# Altium PCB Motherboard.PcbDoc (part 2 of 3)
Units mm, origin at the board's own origin, x right, y up, seen from the top; angles counter-clockwise.
Board outline 66 x 126 mm, 6 copper layers (Top Layer, GND1, Signal, PWR, GND2, Bottom Layer), stack 1.496 mm thick; 239 components, 210 nets, 1046 pads, 630 vias.
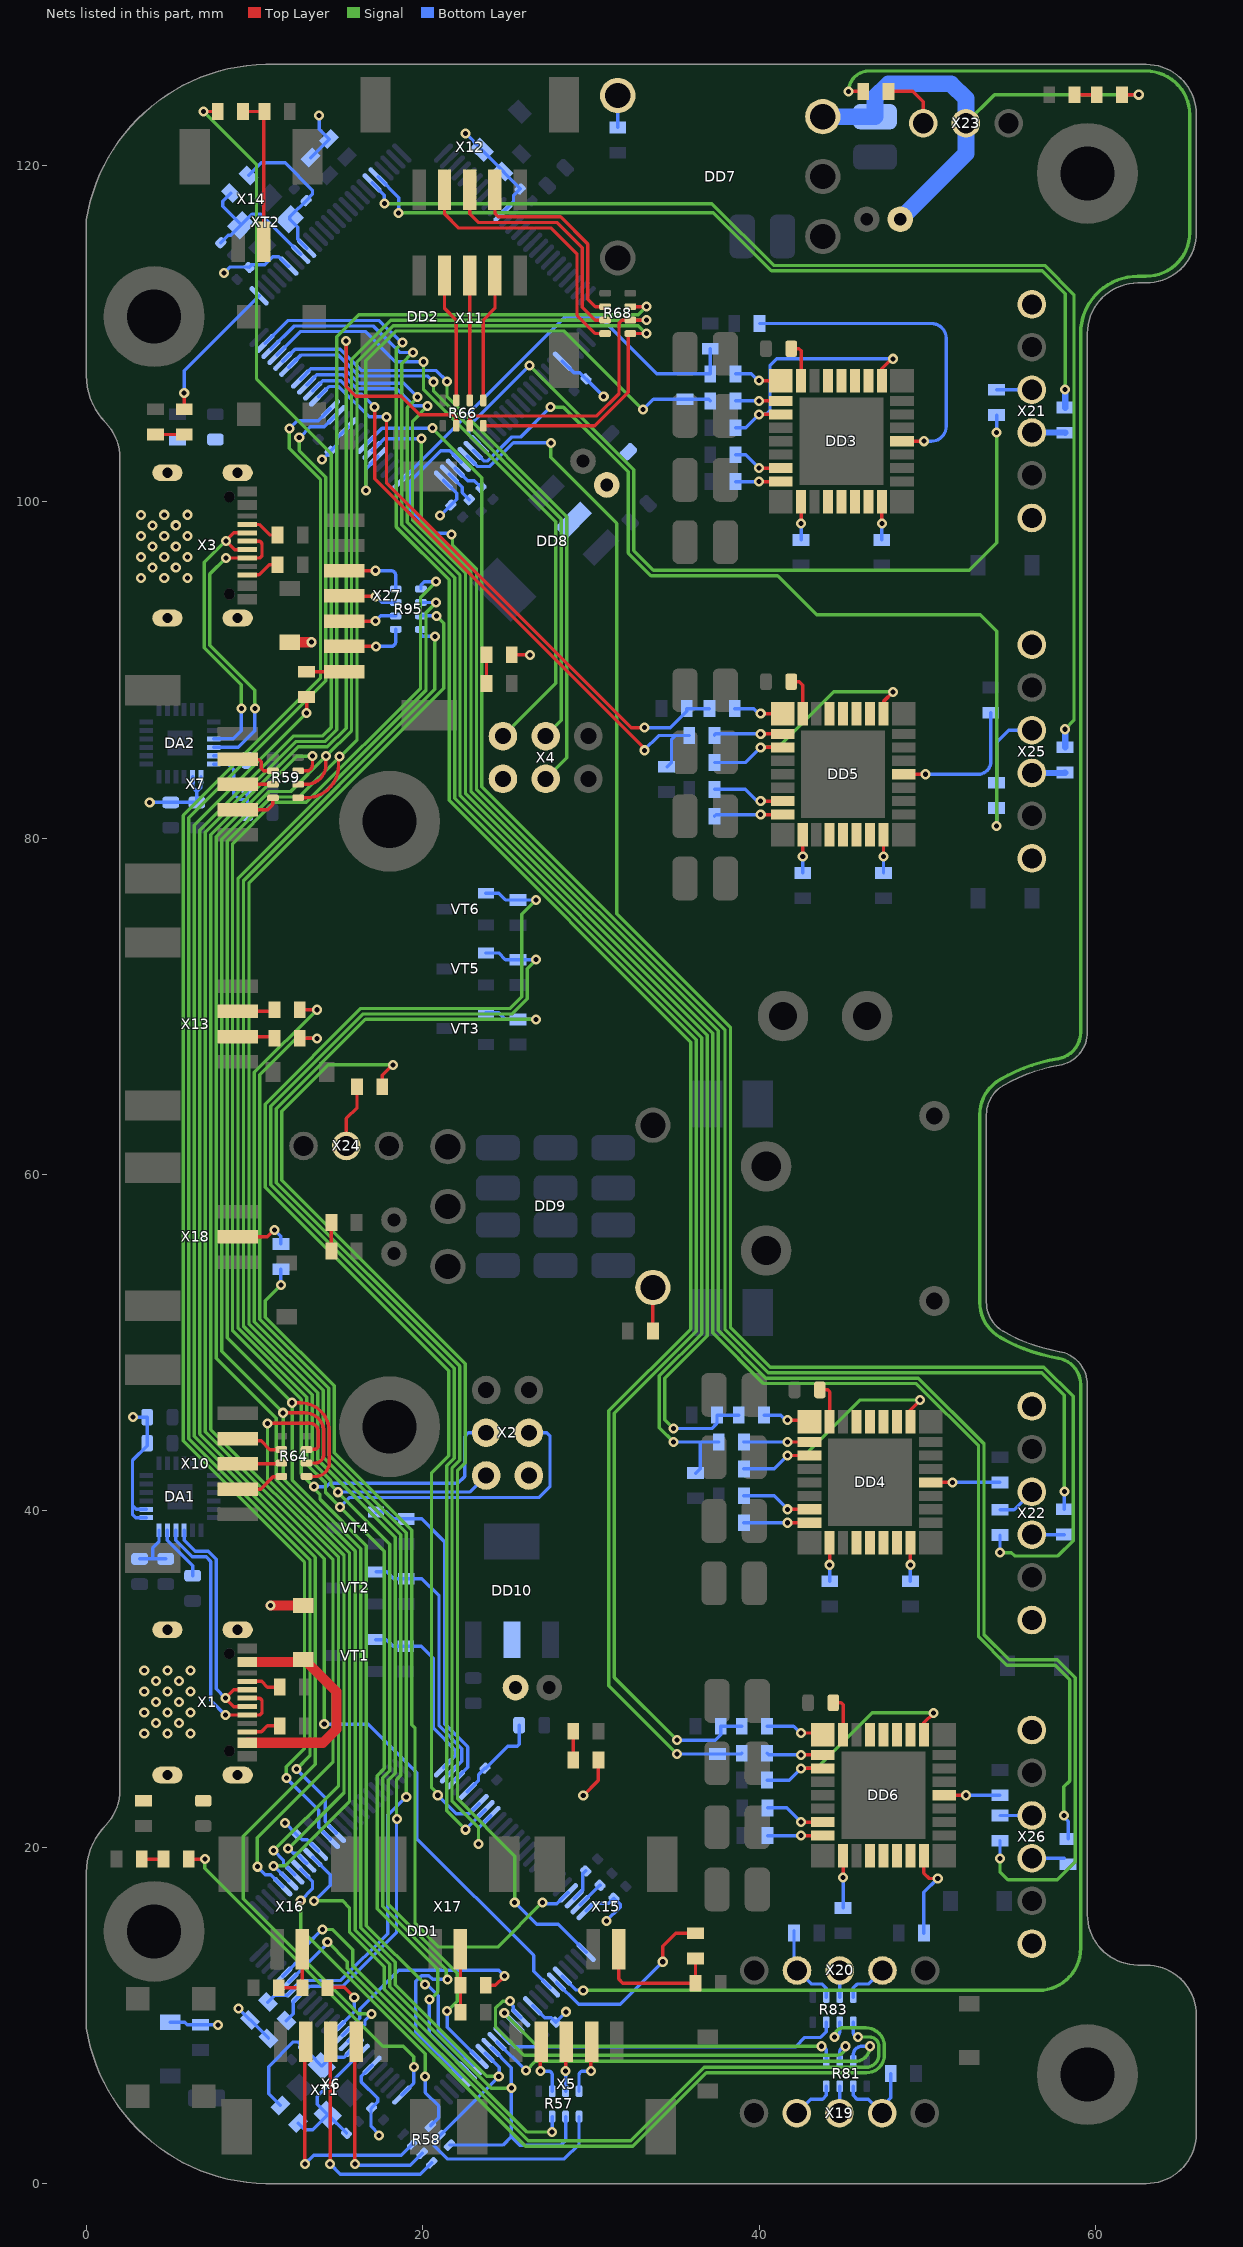
[diagram p6: the nets of this part, all layers, seen from the top]

## Via types
v1: diameter 0.6, hole 0.3, Top Layer to Bottom Layer, tented both sides, 626 vias
v2: diameter 0.6, hole 0.3, Top Layer to Bottom Layer, 4 vias

## Nets (pads, with @x,y where several pads share a name; then routed paths per layer and width w, separated by ;. In a path a pad name is that pad's centre, name@x,y a point inside that pad or via, vN(x,y) a via of type N, cw(c..) or ccw(c..) an arc to the next point about the centre after c; other vN are vias at no path point) (continued)
+5В_MCU: DA1.7 DA1.8 DD1.10 DD1.31 DD1.61 DD1.80 DD1.100 DD10.2 R5.2 R6.1 R8.1 R101.2 VD1.1 VD2.1 VD23.2 X2.2 С1.2 С2.2 С3.2 С5.2 С8.2 С13.2 С15.2 С64.2 | length 38.5
  Top Layer w0.2: v1(29.55,23.075) 30.45,23.975 R101.2@30.45,25.2
  Top Layer w0.6: v1(10.95,34.375) 12.897,34.375 VD1.1@12.9,34.378
  Bottom Layer w0.2: v1(2.775,45.575) С15.2@3.625,45.575 С13.2@3.625,44.025 3.625,43.875 2.75,43 2.75,40.325 ; DA1.7@3.575,39.6 2.95,39.6 2.75,39.8 2.75,40.325 ; DA1.8@3.575,40.1 2.975,40.1 2.75,40.325 ; VD2.1@5,9.6 5.85,9.6 6,9.45 R5.2@6.8,9.45 v1(7.825,9.45) ; v1(9.05,10.425) 9.736,9.739 R8.1@9.739,9.739 R6.1@10.839,8.639 ; v1(11.825,21.45) 11.83,21.45 12.487,20.793 С5.2@12.493,20.793 12.836,20.45 13.136,20.45 DD1.61@13.813,19.773 ; С2.2@16.968,4.507 16.933,4.472 16.933,3.416 17.4,2.949 v1(17.4,2.875) ; DD1.31@16.995,7.045 16.35,6.4 16.35,6.05 17.325,5.075 17.325,4.864 С2.2@17.013,4.552 ; DD1.80@22.652,23.309 23.325,23.982 23.325,24.332 С8.2@23.704,24.711 23.748,24.711 25.052,26.015 25.617,26.015 25.734,26.132 С64.2@25.734,27.265 ; DD1.10@26.541,10.581 27.246,9.875 27.65,9.875 27.907,9.618 С3.2@27.907,9.607 v1(28.525,10.225) ; DD1.100@29.723,16.237 30.16,16.675 31.075,16.675 С1.2@31.375,16.975 31.742,16.608 31.742,16.442 v1(30.925,15.625)
+5В_MCU2: DA2.7 DA2.8 DD2.10 DD2.31 DD2.61 DD2.80 DD2.100 DD8.2 R13.2 R15.1 R16.1 R98.2 VD4.1 VD5.1 VD17.2 X4.2 С17.2 С18.2 С20.2 С21.2 С25.2 С29.2 С31.2 С58.2 | length 30.8
  Top Layer w0.2: R98.2@25.3,90.9 v1(26.385,90.9)
  Top Layer w0.6: VD4.1@12.1,91.65 v1(13.4,91.65)
  Bottom Layer w0.2: v1(3.775,82.125) С31.2@6.575,82.125 6.575,82.775 ; DA2.8@6.325,83.65 6.325,83.025 6.575,82.775 ; DA2.7@6.825,83.65 6.825,83.025 6.575,82.775 ; v1(8.2,113.6) 8.56,113.96 9.64,113.96 С17.2@9.675,113.925 9.85,114.1 10.625,114.1 11.1,114.575 11.454,114.575 12.018,114.011 DD2.31@12.045,114.011 ; R16.1@13.339,120.461 R15.1@14.439,121.561 14.439,121.564 13.85,122.154 v1(13.85,122.975) ; v1(14.025,102.513) 14.5,102.987 С25.2@14.5,103 14.9,103.4 14.9,103.785 DD2.10@15.581,104.465 ; v1(21.025,99.175) 21.038,99.175 21.663,99.8 С18.2@21.675,99.8 22.025,100.15 22.025,100.496 DD2.100@21.237,101.283 ; v1(22.55,121.9) 23.516,120.934 VD5.1@23.516,120.923 R13.2@24.816,119.623 24.816,119.584 С21.2@25.8,118.6 25.4,118.2 25.4,117.847 24.773,117.22 DD2.61@24.773,117.193 ; DD2.80@28.309,108.354 29,107.663 29.351,107.663 С20.2@29.707,107.307 29.713,107.307 30.761,106.259 v1(30.766,106.259)
+5В_SERVO: DD7.3 R99.2 VD19.2 X23.2 С60.2 | length 31.1
  Top Layer w0.2: R99.2@61.575,124.2 v1(62.575,124.2)
  Signal w0.2: X23.2@52.3,122.5 54,124.2 v1(62.575,124.2)
  Bottom Layer w1: DD7.3@43.79,122.895 С60.2@46.9,122.895 46.9,124.05 47.7,124.85 51.425,124.85 52.3,123.975 X23.2@52.3,122.5 52.3,120.7 VD19.2@48.4,116.8
AREF: DD1.98 С9.2 | length 1.9
  Bottom Layer w0.2: DD1.98@29.016,16.945 29.525,17.454 29.525,18.425 С9.2@29.7,18.6
AREF_MCU2: DD2.98 С24.2 | length 2
  Bottom Layer w0.2: DD2.98@21.945,101.99 22.685,101.25 23.075,101.25 С24.2@23.475,100.85
MCU1_CAM1_RST: DD1.16 R81.5 | length 25.3
  Signal w0.2: v1(26.15,6.725) 26.7,7.275 45.7,7.275 ccw(c45.7,8.175) v1(46.6,8.175)
  Bottom Layer w0.2: DD1.16@24.419,8.459 DD1.16@24.419,8.459 v1(26.15,6.725) v1(26.15,6.725) ; R81.5@45.6,7.3 45.6,7.65 cw(c46.125,7.65) 46.125,8.175 v1(46.6,8.175)
MCU1_CAM1_RX2: DD1.12 R81.3 | length 26.3
  Signal w0.2: v1(25.193,10.87) 25.18,10.857 24.757,10.857 24.33,10.43 24.33,9.345 26.025,7.65 44.625,7.65 ccw(c44.625,8.175) v1(45.15,8.175)
  Bottom Layer w0.2: v1(25.193,10.87) 25.193,10.762 25.39,10.564 25.39,10.317 DD1.12@25.834,9.873 ; R81.3@44.8,7.3 44.8,7.825 cw(c45.15,7.825) v1(45.15,8.175)
MCU1_CAM1_TX2: DD1.13 R81.1 | length 21.6
  Signal w0.2: v1(24.855,10.145) 26.825,8.175 v1(43.725,8.175)
  Bottom Layer w0.2: v1(24.855,10.145) DD1.13@25.48,9.52 ; v1(43.725,8.175) cw(c43.725,7.9) 44,7.9 R81.1@44,7.3
MCU1_CAM2_RST: DD1.15 R83.5 | length 20.4
  Bottom Layer w0.2: DD1.15@24.773,8.813 25.436,8.15 42.175,8.15 42.725,8.7 43.658,8.7 44,9.042 R83.5@44,9.6
MCU1_CAM2_RX1: DD1.45 R83.3 | length 49.6
  Signal w0.2: v1(14.331,14.376) 14.349,14.376 15.525,13.2 15.525,12.815 26.115,2.225 32.5,2.225 36.875,6.6 46.386,6.6 ccw(c46.386,7.664) 47.45,7.664 47.45,8.175 ccw(c46.35,8.175) 46.35,9.275 45.025,9.275 ccw(c45.025,8.725) v1(44.475,8.725)
  Bottom Layer w0.2: DD1.45@12.045,11.995 14.331,14.281 v1(14.331,14.376) ; v1(44.475,8.725) ccw(c44.475,9.05) 44.8,9.05 R83.3@44.8,9.6
MCU1_CAM2_TX1: DD1.46 R83.1 | length 47.9
  Signal w0.2: v1(14.05,15.125) 14.059,15.116 14.65,15.116 15.85,13.916 15.85,12.971 26.271,2.55 32.365,2.55 36.74,6.925 46.365,6.925 ccw(c46.365,7.685) 47.125,7.685 47.125,8.175 ccw(c46.575,8.175) 46.575,8.725 v1(45.875,8.725)
  Bottom Layer w0.2: DD1.46@11.691,12.348 13.067,13.723 13.067,14.167 14.025,15.125 v1(14.05,15.125) ; R83.1@45.6,9.6 45.6,9 ccw(c45.875,9) v1(45.875,8.725)
MCU1_DISP_CS_D53: DD1.19 R95.5 | length 98.2
  Signal w0.2: v1(20.825,93.212) 21.25,92.787 21.25,88.9 9.675,77.325 9.675,51.121 13.762,47.035 13.762,43.06 18.375,38.446 18.375,24.419 17.95,23.994 17.95,16.625 22.05,12.525 22.05,10.84 21.485,10.275 v1(21.45,10.275)
  Bottom Layer w0.2: R95.5@19.9,93.212 v1(20.825,93.212) ; v1(21.45,10.275) 21.463,10.262 21.463,9.294 DD1.19@23.359,7.399
MCU1_DISP_D/C_D50: DD1.22 R95.7 X2.1 | length 109.2
  Signal w0.2: v1(14.964,41.114) 14.964,41.103 18.05,38.017 18.05,24.554 17.625,24.129 17.625,16.49 21.398,12.717 21.398,12.227 v1(21.475,12.15) ; v1@14.974,41.125 14.55,41.549 14.55,41.812 13.437,42.925 13.437,46.9 9.35,50.987 9.35,77.475 20.725,88.85 v1(20.725,92)
  Bottom Layer w0.2: v1(14.964,41.114) 14.975,41.125 22.79,41.125 X2.1@23.775,42.11 ; R95.7@19.9,92.412 19.9,92.117 20.017,92 v1(20.725,92) ; v1(21.475,12.15) 20.6,12.15 20.375,12.375 19.933,12.375 19.6,12.042 19.6,9.036 DD1.22@22.298,6.338
MCU1_DISP_MOSI_D52_SPI: DD1.21 R95.3 X2.4 | length 116.8
  Signal w0.2: v1(15.091,40.234) 14.225,41.1 14.225,41.677 13.112,42.79 13.112,46.765 9.025,50.852 9.025,77.61 20.2,88.785 20.2,93.412 v1@20.794,94.007 ; v1@15.108,40.234 15.108,40.217 17.725,37.6 17.725,24.688 17.3,24.263 17.3,16.356 20.9,12.756 20.9,11.4 20.448,10.948 v1(20.4,10.948)
  Bottom Layer w0.2: v1(15.091,40.234) 15.091,40.244 15.647,40.8 26.9,40.8 27.575,41.475 27.575,44.45 27.375,44.65 X2.4@26.315,44.65 ; R95.3@19.9,94.012 v1(20.8,94.012) ; v1(20.4,10.948) 20.4,8.943 DD1.21@22.652,6.691
MCU1_DISP_RES_D49: DD1.35 R94.1 | length 91.6
  Top Layer w0.2: v1(13.1,87.45) R94.1@13.1,88.4
  Signal w0.2: v1(13.1,87.45) 6.425,80.775 6.425,44.438 13.625,37.238 13.625,24.952 9.325,20.652 9.325,16.95 16.175,10.1 v1(16.95,10.1)
  Bottom Layer w0.2: DD1.35@15.581,8.459 15.581,8.486 16.577,9.483 16.577,9.727 v1(16.95,10.1)
MCU1_DISP_SCK_D51_SPI: DD1.20 R95.1 X2.3 | length 114.5
  Signal w0.2: v1(20.15,11.85) 16.65,15.35 16.65,37.932 13.9,40.682 13.9,40.975 13.535,41.34 13.535,41.448 12.787,42.196 12.787,46.631 8.7,50.717 8.7,79.675 11.15,82.125 13.081,82.125 19.875,88.919 19.875,94.325 v1(20.8,95.25)
  Bottom Layer w0.2: v1(13.532,41.451) 14.279,41.451 14.479,41.65 22.1,41.65 22.5,42.05 22.5,44.425 22.725,44.65 X2.3@23.775,44.65 ; R95.1@19.9,94.812 19.9,95.05 20.1,95.25 v1(20.8,95.25) ; v1(20.15,11.85) 20.245,11.85 20.925,11.17 20.925,9.125 DD1.20@23.005,7.045
MCU1_GYRO_SCL: DD1.43 R6.2 R70.1 | length 70.3
  Top Layer w0.2: R70.1@12.7,69.8 v1(13.725,69.8)
  Signal w0.2: v1(13.725,69.8) 10,66.075 10,51.256 14.087,47.169 14.087,43.194 18.7,38.581 18.7,24.285 18.45,24.035 18.45,21.7 v1(18.475,21.675)
  Bottom Layer w0.2: R6.2@11.9,9.7 12.306,10.106 12.306,10.665 12.309,10.668 12.309,10.834 12.325,10.85 12.325,10.861 13.196,11.731 13.372,11.731 13.375,11.733 15.243,11.733 15.272,11.762 18.45,14.94 18.45,21.65 v1(18.475,21.675)
MCU1_GYRO_SDA: DD1.44 R8.2 R69.1 | length 69.2
  Top Layer w0.2: R69.1@12.7,68.1 v1(13.725,68.1)
  Signal w0.2: v1(13.725,68.1) 12.5,68.1 10.325,65.925 10.325,51.39 14.412,47.304 14.412,43.329 19.025,38.715 v1(19.025,23)
  Bottom Layer w0.2: R8.2@10.8,10.8 11.196,11.196 11.776,11.196 11.778,11.198 11.948,11.198 11.975,11.225 11.982,11.225 12.842,12.085 13.019,12.085 13.021,12.087 15.137,12.087 17.925,14.875 17.925,21.9 v1(19.025,23)
MCU1_LASER1_D30_XS: DD1.60 R57.5 | length 25.9
  Signal w0.2: v1(13.552,16.8) 13.577,16.825 15.242,16.825 15.65,16.417 15.65,14.971 17.715,12.906 17.715,11.565 26.206,3.075 v1(27.7,3.075)
  Bottom Layer w0.2: DD1.60@13.459,19.419 14.5,18.379 14.5,17.748 v1(13.552,16.8) ; v1(27.7,3.075) R57.5@27.7,4
MCU1_LASER1_SW: DD1.76 R60.2 VT1.1 | length 11.2
  Bottom Layer w0.2: VT1.1@17.21,32.355 17.215,32.35 17.85,32.35 18.245,31.955 R60.2@19,31.955 19.92,31.955 20.65,31.225 20.65,27.075 21.95,25.775 21.95,25.435 DD1.76@21.237,24.723
MCU1_LASER2_D31_XS: DD1.59 R64.5 | length 35
  Top Layer w0.2: v1(10.775,45.205) 13.295,45.205 cw(c13.295,44.7) 13.8,44.7 13.8,43.875 cw(c13.595,43.875) 13.595,43.67 13.12,43.67 R64.5@13.1,43.65
  Signal w0.2: v1(10.775,45.205) 10.775,41.926 15.325,37.376 15.325,23.255 v1(11.998,19.927)
  Bottom Layer w0.2: v1(11.998,19.927) 12.03,19.927 12.315,19.642 12.514,19.642 13.091,19.066 DD1.59@13.106,19.066
MCU1_LASER2_SW: DD1.78 R63.2 VT4.1 | length 19.9
  Bottom Layer w0.2: VT4.1@17.235,39.93 17.255,39.95 17.85,39.95 18.27,39.53 R63.2@19.025,39.53 19.95,39.53 21.3,38.18 21.3,27.358 22.687,25.971 22.687,24.758 DD1.78@21.945,24.016
MCU1_LASER3_D32_XS: DD1.58 R58.6 | length 19.5
  Signal w0.2: v1(12.752,16.836) 12.752,15.128 20.15,7.731 v1(20.15,6.375)
  Bottom Layer w0.2: v1(12.752,16.836) 13.45,17.533 13.45,17.987 12.752,18.685 DD1.58@12.752,18.712 ; v1(20.15,6.375) 20.15,5.425 20.95,4.625 20.95,3.919 R58.6@20.466,3.434
MCU1_LASER3_SW: DD1.77 R61.2 VT2.1 | length 15.8
  Bottom Layer w0.2: VT2.1@17.235,36.38 17.87,36.38 18.275,35.975 R61.2@19.025,35.975 19.03,35.98 19.945,35.98 20.975,34.95 20.975,27.223 22.333,25.864 22.333,25.112 DD1.77@21.591,24.369
MCU1_LASER4_D33_XS: DD1.57 R66.6 | length 111.3
  Top Layer w0.2: v1(15.45,109.55) 15.45,106.85 16.025,106.275 18.725,106.275 19.825,105.175 21.875,105.175 22,105.05 R66.6@22,104.525
  Signal w0.2: v1(11.144,19.816) 15,23.672 15,37.241 7.4,44.841 7.4,80.215 12.61,85.425 14.34,85.425 15.45,86.535 v1(15.45,109.55)
  Bottom Layer w0.2: v1(11.144,19.816) 11.725,19.235 11.725,19.042 12.399,18.369 DD1.57@12.399,18.359
MCU1_LASER4_SW: DD1.83 R65.2 VT5.1 | length 73.5
  Signal w0.2: v1(22.55,21.05) 21.425,22.175 21.425,42.69 21.875,43.14 21.875,48.485 10.975,59.385 10.975,64.06 16.465,69.55 25.335,69.55 26.225,70.44 26.225,72.25 v1(26.75,72.775)
  Bottom Layer w0.2: v1(22.55,21.05) 22.55,21.068 23.712,22.23 DD1.83@23.712,22.248 ; VT5.1@23.76,73.175 24.525,73.175 24.925,72.775 v1(26.75,72.775)
MCU1_LASER5_D34_XS: DD1.56 R59.5 | length 77.3
  Top Layer w0.2: R59.5@12.6,84 13.089,84 ccw(c13.089,84.361) 13.45,84.361 v1(13.45,84.875)
  Signal w0.2: v1(11.125,18.9) 11.825,18.9 15.65,22.725 15.65,37.511 11.3,41.861 11.3,45.503 7.725,49.078 7.725,80.081 12.519,84.875 v1(13.45,84.875)
  Bottom Layer w0.2: v1(11.125,18.9) 11.138,18.9 12.032,18.005 DD1.56@12.045,18.005
MCU1_LASER5_SW: DD1.84 R62.2 VT3.1 | length 71.9
  Signal w0.2: v1(23.325,20.2) 23.325,21.176 21.75,22.751 21.75,42.556 22.2,43.006 22.2,48.619 11.3,59.519 11.3,63.925 16.6,69.225 v1(26.75,69.225)
  Bottom Layer w0.2: v1(23.325,20.2) 23.325,21.153 DD1.84@24.066,21.894 ; VT3.1@23.76,69.625 24.525,69.625 24.925,69.225 v1(26.75,69.225)
MCU1_LASER6_D35_XS: DD1.55 R68.5 | length 122.3
  Top Layer w0.2: R68.5@32.35,111.6 v1(33.3,111.6)
  Signal w0.2: v1(10.175,18.85) 10.175,20.583 14.675,25.083 14.675,37.107 7.075,44.707 7.075,80.35 12.475,85.75 14.206,85.75 14.9,86.444 14.9,109.817 16.208,111.125 32.825,111.125 v1(33.3,111.6)
  Bottom Layer w0.2: v1(10.175,18.85) 10.65,18.375 10.968,18.375 DD1.55@11.691,17.652
MCU1_LASER6_SW: DD1.82 R67.2 VT6.1 | length 76.5
  Signal w0.2: v1(20.9,23.1) 20.9,23.199 20.525,23.574 20.525,42.25 21.55,43.275 21.55,48.35 10.65,59.25 10.65,64.194 16.331,69.875 25.2,69.875 25.9,70.575 25.9,75.475 v1(26.75,76.325)
  Bottom Layer w0.2: v1(20.9,23.1) 22,22 22.757,22 DD1.82@23.359,22.601 ; VT6.1@23.76,76.725 24.525,76.725 24.925,76.325 v1(26.75,76.325)
MCU1_LASER_SCL: DD1.17 R57.3 R58.2 R59.3 R64.3 R66.4 R68.3 | length 172.1
  Top Layer w0.2: v1(11.708,45.837) 12.998,45.837 cw(c12.998,44.71) 14.125,44.71 14.125,43.369 cw(c13.606,43.369) 13.606,42.85 R64.3@13.1,42.85 ; R59.3@12.6,83.2 13.084,83.2 ccw(c13.084,84.366) 14.25,84.366 v1(14.25,84.875) ; R66.4@22.8,104.525 22.8,104.983 22.917,105.1 30.35,105.1 31.675,106.425 31.675,110.625 31.85,110.8 v1(33.3,110.8)
  Signal w0.2: v1(25.275,5.7) 25.246,5.671 24.069,5.671 18.04,11.7 18.04,13.04 16,15.081 16,37.62 11.708,41.912 v1(11.708,45.837) 8.05,49.495 8.05,79.946 10.879,82.775 12.15,82.775 v1(14.25,84.875) 15.775,86.4 15.775,108.46 18.115,110.8 v1(33.3,110.8)
  Bottom Layer w0.2: R58.2@21.597,2.303 24.778,2.303 25.275,2.8 ; DD1.17@24.066,8.106 25.275,6.897 25.275,2.8 ; R57.3@28.5,4 28.5,2.6 28.2,2.3 25.775,2.3 25.275,2.8
MCU1_LASER_SDA: DD1.18 R57.1 R58.4 R59.1 R64.1 R66.2 R68.1 | length 174.9
  Top Layer w0.2: v1(12.242,46.433) 12.735,46.433 cw(c12.735,44.718) 14.45,44.718 14.45,42.882 cw(c13.618,42.882) 13.618,42.05 R64.1@13.1,42.05 ; R59.1@12.6,82.4 12.602,82.402 13.089,82.402 ccw(c13.089,84.314) 15,84.314 15,84.787 v1(15.069,84.856) ; R66.2@23.6,104.525 30.235,104.525 32.225,106.515 32.225,109.9 32.325,110 v1(33.3,110)
  Signal w0.2: v1(12.242,46.433) 8.375,50.3 8.375,79.812 10.955,82.391 11.013,82.45 12.675,82.45 15.069,84.844 v1(15.069,84.856) ; v1@12.299,46.376 12.242,46.319 12.242,41.838 16.325,37.755 16.325,15.215 18.365,13.175 18.365,11.835 23.813,6.387 v1(24.525,6.387) ; v1@15.075,84.85 15.092,84.85 16.1,85.858 16.1,108.325 18.25,110.475 32.825,110.475 v1(33.3,110)
  Bottom Layer w0.2: DD1.18@23.712,7.752 23.723,7.752 24.55,6.925 24.55,6.387 24.375,6.387 24.375,6.212 R58.4@21.031,2.869 21.031,2.858 20.678,2.504 20.678,2.247 21.45,1.475 28.425,1.475 29.3,2.35 R57.1@29.3,4
MCU1_LED_D4: DD1.1 R89.2 | length 67.9
  Top Layer w0.2: R89.2@17.6,65.225 17.61,65.235 17.61,65.908 v1(18.227,66.525)
  Signal w0.2: v1(18.227,66.525) 14.375,66.525 11.625,63.775 11.625,59.654 22.525,48.754 22.525,42.871 22.075,42.421 22.075,22.886 25.475,19.486 v1(25.475,16.725)
  Bottom Layer w0.2: v1(25.475,16.725) 26.773,15.427 28.058,15.427 DD1.1@29.723,13.763
MCU1_REFL_A0_SIGN: DD1.97 R79.1 | length 54
  Signal w0.2: v1(11.575,53.425) 10.65,52.5 10.65,51.525 14.737,47.438 14.737,43.463 19.35,38.85 19.35,27.288 19.55,27.088 19.55,15.49 20.965,14.075 24.475,14.075 v1(27.125,16.725)
  Bottom Layer w0.2: v1(11.575,53.425) R79.1@11.575,54.375 ; v1(27.125,16.725) 27.2,16.65 27.987,16.65 28.635,17.298 DD1.97@28.662,17.298
MCU1_SERVO_D5: DD1.5 R88.2 | length 176
  Top Layer w0.2: v1(45.325,124.4) R88.2@46.2,124.4
  Signal w0.2: v1(29.55,11.5) 56.631,11.5 ccw(c56.631,13.99) 59.121,13.99 59.121,47.499 ccw(c58.921,47.499) 59.121,47.501 ccw(c57.521,47.504) 57.788,49.082 cw(c59.521,59.336) 54.325,50.328 cw(c55.521,52.408) 53.121,52.408 53.121,63.565 cw(c55.521,63.565) 54.32,65.642 cw(c59.521,56.636) 57.786,66.891 ccw(c57.521,68.469) 59.121,68.469 ccw(c58.921,68.472) 59.121,68.471 59.121,110.006 cw(c62.521,110.006) 62.521,113.406 63.006,113.406 ccw(c63.006,116.006) 65.606,116.006 65.606,123.003 ccw(c63.006,123.006) 63.003,125.606 46.531,125.606 ccw(c46.531,124.4) v1(45.325,124.4)
  Bottom Layer w0.2: DD1.5@28.309,12.348 28.309,12.345 29.137,11.516 29.534,11.516 v1(29.55,11.5)
MCU1_SWITCH1_D2_SIGN: DD1.7 R71.1 | length 130
  Top Layer w0.2: v1(6.975,123.2) R71.1@7.825,123.2
  Signal w0.2: v1(6.975,123.2) 10.125,120.05 10.125,107.295 14.575,102.845 14.575,86.579 14.071,86.075 12.34,86.075 6.75,80.485 6.75,44.572 14.15,37.172 v2(14.15,27.325)
  Bottom Layer w0.2: v2(14.15,27.325) 16.767,27.325 19.65,24.442 19.65,20.525 26.6,13.575 26.6,12.643 DD1.7@27.601,11.641
MCU1_SWITCH2_D3_SIGN: DD1.6 R73.1 | length 11.1
  Top Layer w0.2: v2(34.275,13.2) 34.275,14.125 35.05,14.9 R73.1@36.225,14.9
  Bottom Layer w0.2: DD1.6@27.955,11.995 29.275,10.675 31.75,10.675 v2(34.275,13.2)
MCU1_SWITCH3_D47_SIGN: DD1.37 R75.1 | length 4.2
  Top Layer w0.2: R75.1@14.35,11.65 14.391,11.691 15.334,11.691 15.934,11.091 v1(15.934,11.084)
  Bottom Layer w0.2: DD1.37@14.873,9.166 15.934,10.227 v1(15.934,11.084)
MCU1_SWITCH4_D48_SIGN: DD1.36 R77.1 | length 13
  Top Layer w0.2: R77.1@23.8,11.8 24.325,11.8 v1(24.875,12.35)
  Bottom Layer w0.2: DD1.36@15.227,8.813 16.259,9.845 16.259,10.384 18.575,12.7 24.525,12.7 v1(24.875,12.35)
MCU2_MOTOR1_A0_ENC2: DD2.94 R85.2 | length 50.4
  Signal w0.2: v1(26.35,108.1) 26.36,108.1 32.55,101.91 32.55,97.1 33.725,95.925 52.5,95.925 54.125,97.55 v1(54.125,104.125)
  Bottom Layer w0.2: DD2.94@23.359,103.405 22.746,104.017 22.746,104.496 v1(26.35,108.1) ; v1(54.125,104.125) R85.2@54.125,105.156
MCU2_MOTOR1_D4_IN2: DD2.1 R25.2 R35.1 | length 25.3
  Bottom Layer w0.2: DD2.1@18.763,101.283 28.479,111 30.525,111 33.925,107.6 R25.2@37.1,107.6 R35.1@37.1,109.1
MCU2_MOTOR1_D5_IN1: DD2.5 R26.2 R33.1 | length 33.5
  Signal w0.2: v1(16.625,100.675) 16.625,108.375 18.4,110.15 28.425,110.15 v1(33.1,105.475)
  Bottom Layer w0.2: v1(16.625,100.675) 16.625,101.947 17.348,102.67 DD2.5@17.348,102.697 ; v1(33.1,105.475) 33.725,106.1 R33.1@35.6,106.1 37,106.1 R26.2@37.1,106
MCU2_MOTOR1_D18_ENC1: DD2.46 R84.2 | length 51
  Signal w0.2: v1(18.575,117.175) 37.29,117.175 40.74,113.725 56.85,113.725 58.2,112.375 v1(58.2,106.675)